# Altium PCB LimeSDR-QPCIe_1v2.PcbDoc (part 12 of 21) (continued)
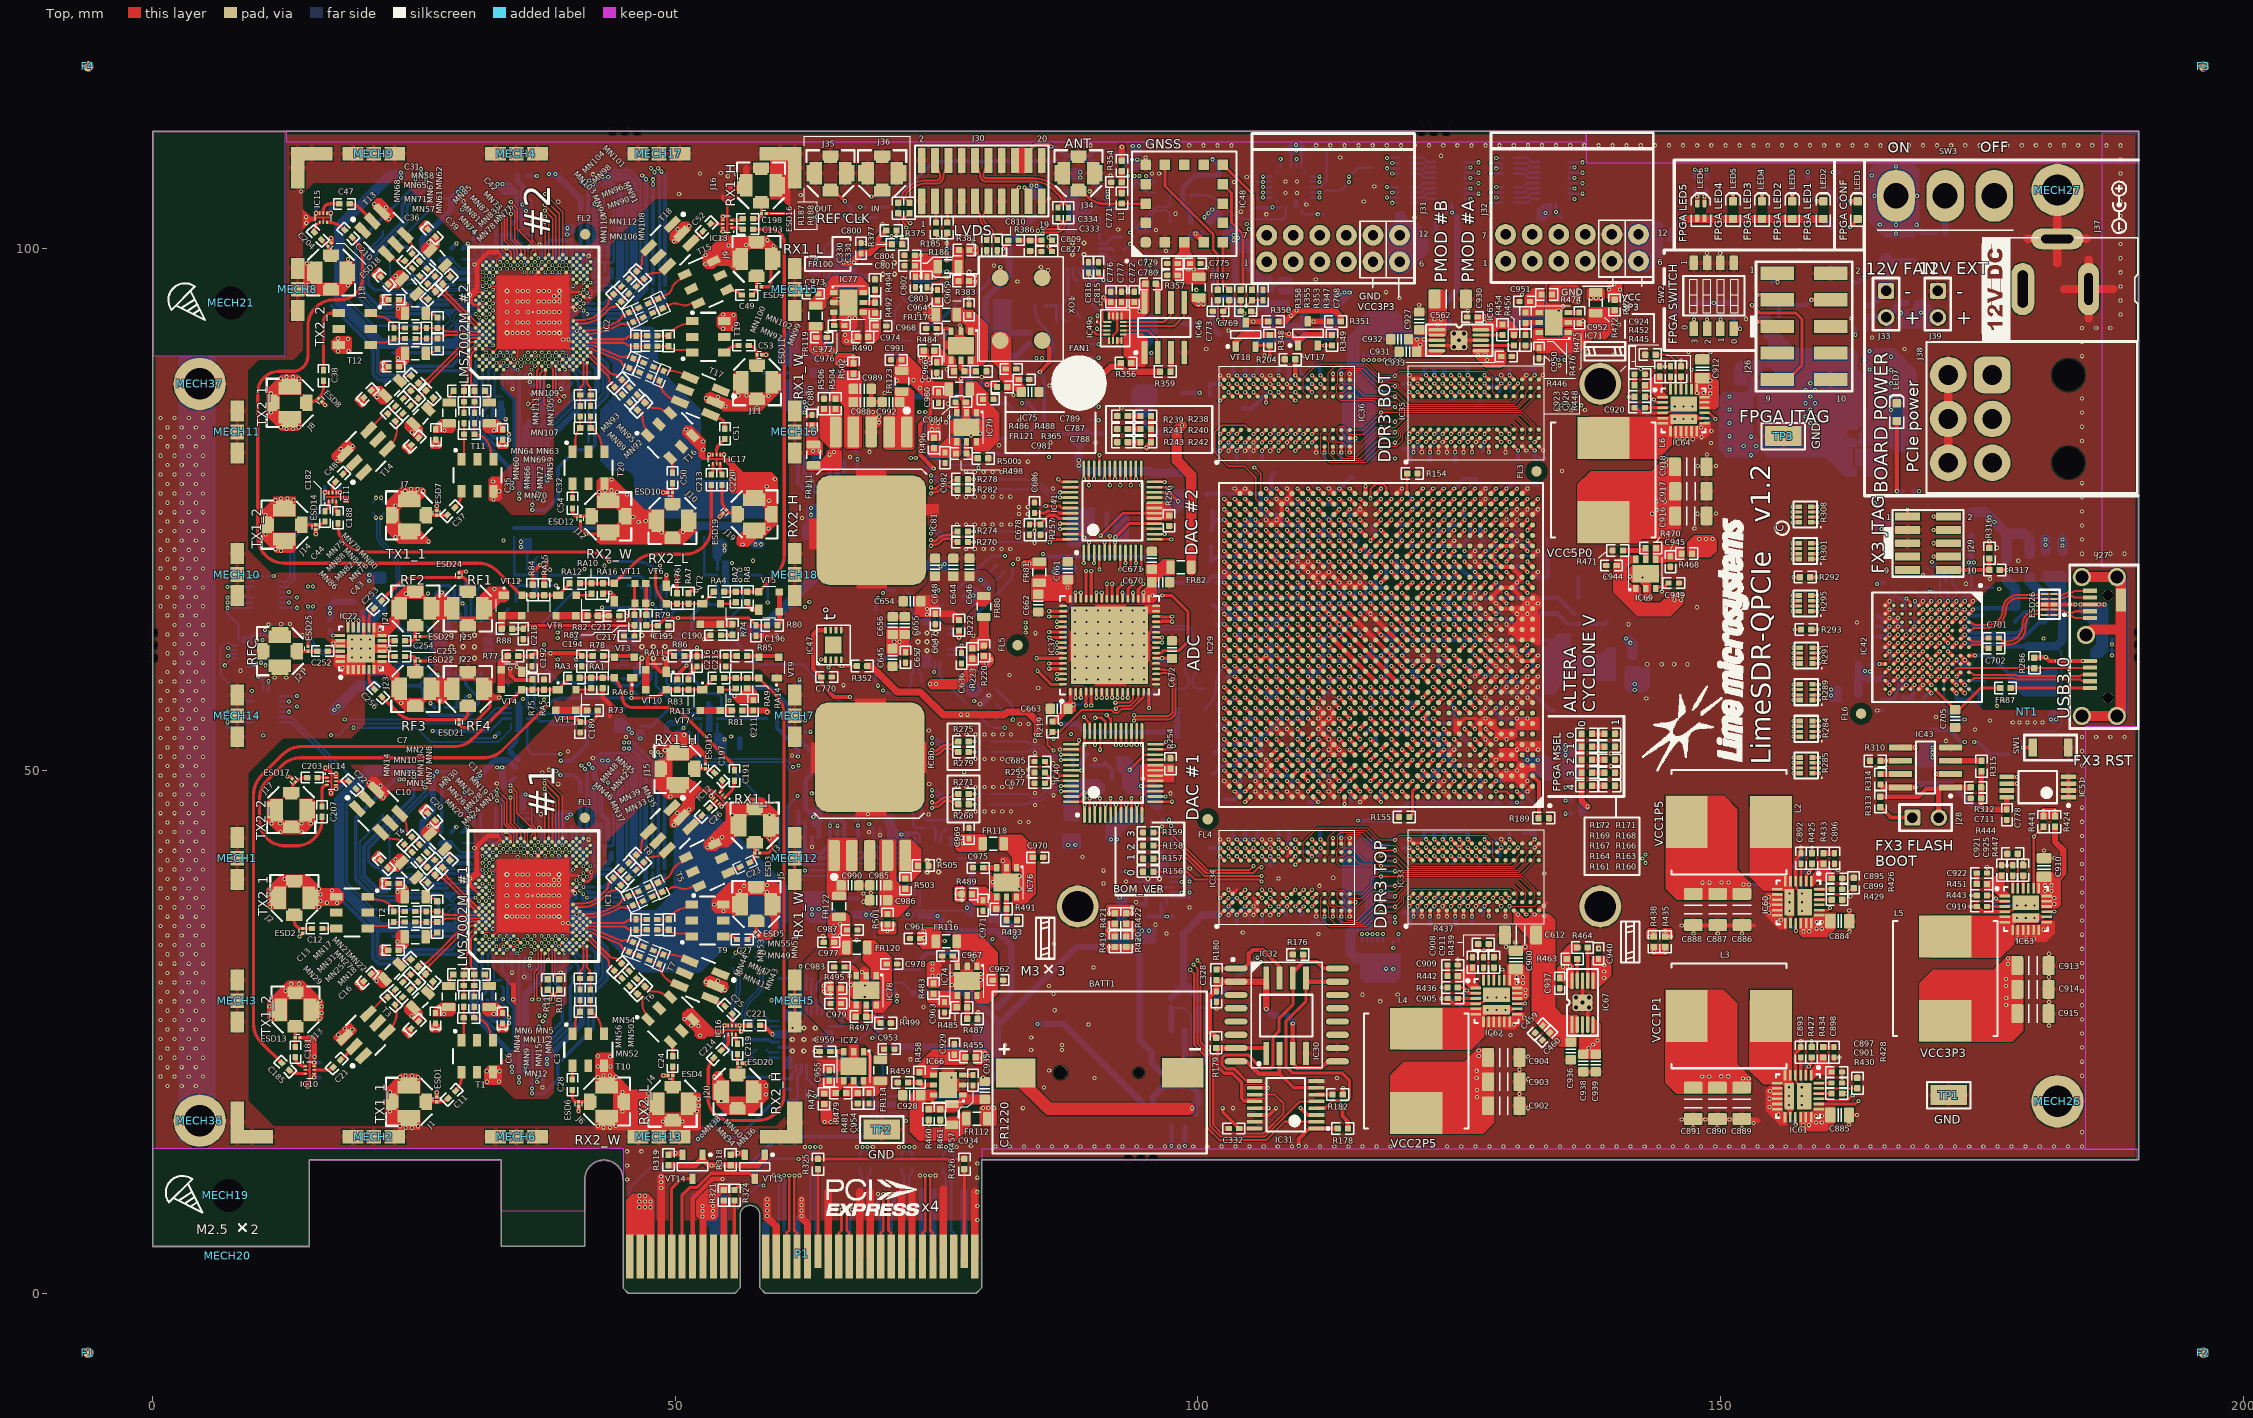
[diagram p0: Top view]
## Nets (pads, with @x,y where several pads share a name; then routed paths per layer and width w, separated by ;. In a path a pad name is that pad's centre, name@x,y a point inside that pad or via, vN(x,y) a via of type N, cw(c..) or ccw(c..) an arc to the next point about the centre after c; other vN are vias at no path point) (continued)
  other v3: 34.881,33.186 40.574,36.215 41.975,40.275 34.925,41.75 40.601,92.052 41.875,95.35
  other v4: 157.775,18.85 157.775,19.7 61.2,23.175 62.3,23.175 63.4,23.175 61.2,24.275 62.3,24.275 63.4,24.275 61.2,25.375 62.3,25.375 63.4,25.375 127.725,28.3 128.575,28.3 38.885,36.05 178.363,37.1 179.213,37.1 157.8,37.4 157.8,38.25 95.225,38.55 96.325,38.55 38.885,40.05 74.1,40.3 75.2,40.3 74.1,41.4 75.2,41.4 29.7,60.75 30.8,60.75 46.8,60.75 19.088,60.825 19.938,60.825 20.788,60.825 73.225,61.475 74.075,61.475 74.925,61.475 19.088,61.675 19.938,61.675 20.788,61.675 28.6,61.85 29.7,61.85 30.8,61.85 46.8,61.85 47.9,61.85 49,61.85 73.225,62.325 74.075,62.325 74.925,62.325 19.088,62.525 19.938,62.525 29.7,62.95 30.8,62.95 46.8,62.95 47.9,62.95 49,62.95 73.225,63.175 74.075,63.175 74.925,63.175 145.625,84.825 146.475,84.825 38.912,91.887 38.912,95.887 69.875,97.5 70.975,97.5 69.875,98.6 70.975,98.6 88,99.375 89.1,99.375 88,100.475 89.1,100.475
  other v5: 88.25,58.7 89.35,58.7 90.45,58.7 91.55,58.7 92.65,58.7 93.75,58.7 94.85,58.7 88.25,59.8 89.35,59.8 90.45,59.8 91.55,59.8 92.65,59.8 93.75,59.8 94.85,59.8 88.25,60.9 89.35,60.9 90.45,60.9 91.55,60.9 92.65,60.9 93.75,60.9 94.85,60.9 88.25,62 89.35,62 90.45,62 91.55,62 92.65,62 93.75,62 94.85,62 88.25,63.1 89.35,63.1 90.45,63.1 91.55,63.1 92.65,63.1 93.75,63.1 94.85,63.1 88.25,64.2 89.35,64.2 90.45,64.2 91.55,64.2 92.65,64.2 93.75,64.2 94.85,64.2 88.25,65.3 89.35,65.3 90.45,65.3 91.55,65.3 92.65,65.3 93.75,65.3 94.85,65.3
"GNSS _FIX": C773.1 IC29.R23 R355.2 | length 42.7
  Top w0.254: v1(102.3,92.725) 102.425,92.85 C773.1@102.425,93.95 103,94.525 R355.2@103,95
  Top w0.4: v2(109.525,62) IC29.R23@110.025,61.5
  L12 w0.1: v1(102.3,92.725) 101.35,91.775 101.35,90.025 101.025,89.7 101.025,63.091 102.491,61.625 109.15,61.625 v2(109.525,62)
"GNSS _TX": C769.1 IC29.K22 R353.2 | length 52
  Top w0.254: R353.2@104.1,95 104.1,94.1 v1(104.475,93.725)
  Top w0.4: v2(110.525,57) IC29.K22@111.025,56.5
  L12 w0.1: v1(104.475,93.725) 104.175,94.025 100.708,94.025 99.575,92.892 99.575,85.508 100.35,84.733 100.35,63.2 102.125,61.425 102.125,60.9 102.375,60.65 106.758,60.65 107.125,60.283 107.125,58.825 107.325,58.625 109.683,58.625 110.075,58.233 110.075,57.45 v2(110.525,57)
GNSS_RX: C768.1 IC29.K25 R347.2 | length 54.5
  Top w0.254: v1(104.6,94.45) 105.132,94.982 cw(c105.175,94.94) R347.2@105.175,95 C768.1@106.225,95
  Top w0.4: v1(107.525,57) IC29.K25@108.025,56.5
  L12 w0.1: v1(104.6,94.45) 104.375,94.225 100.625,94.225 99.375,92.975 99.375,85.425 100.15,84.65 100.15,63.117 101.925,61.342 101.925,60.817 102.292,60.45 106.675,60.45 106.925,60.2 106.925,58.742 107.242,58.425 109.6,58.425 109.875,58.15 109.875,57.85 109.375,57.35 107.875,57.35 v1(107.525,57)
GNSS_TPULSE: IC29.T23 R358.2 | length 42.1
  Top w0.2: R358.2@101.9,95 101.925,94.975 v1(101.925,93.1)
  Top w0.4: v2(109.525,63) IC29.T23@110.025,62.5
  L12 w0.1: v1(101.925,93.1) 102.425,93.1 102.675,92.85 102.675,92.605 101.55,91.48 101.55,89.942 101.225,89.617 101.225,63.805 102.505,62.525 109.05,62.525 v2(109.525,63)
I2C_SCL: IC47.2 IC50.16 IC51.6 IC57.4 R287.1 R351.2 VT17.D | length 291.9
  Top w0.25: v1(64.65,59.85) 64.875,60.075 IC47.2@64.875,60.625
  Top w0.4: IC51.6@177.4,48.75 v1(178.4,48.75)
  Top w0.6: VT17.D@110.525,92.975 R351.2@112.675,92.975
  L3 w0.1: v1(64.65,59.85) 64.65,74.067 74.966,84.384 85.566,84.384 89.558,88.375 93.1,88.375 96.075,91.35 103.958,91.35 105.233,92.625 110.725,92.625 v1(111.075,92.975) 120.642,92.975 124.892,88.725 132.625,88.725 133.55,87.8 133.55,84.375 139.475,78.45 163.5,78.45 169.725,72.225 170.395,72.225 174.875,67.745 174.875,56.4 v1(173.375,54.9) 172.825,54.35 172.825,52.45 176.525,48.75 v1(178.4,48.75)
  L10 w0.1: v1(97.48,14.075) 100.43,17.025 112.142,17.025 114.55,19.433 114.55,29.619 118.756,33.825 127.969,33.825 130.019,35.875 130.77,35.875 130.975,36.08 130.975,36.825 132.075,37.925 132.075,41.5 132.8,42.225 132.8,43.25 134.95,45.4 151.9,45.4 154.25,47.75 159.3,47.75 166.325,54.775 173.25,54.775 v1(173.375,54.9)
  L12 w0.1: v1(111.075,92.975) 110.519,93.531 110.519,101.721 110.825,102.028 110.825,104.525 v1(111.625,105.325)
  Bottom w0.254: IC57.4@110.85,105.325 v1(111.625,105.325)
  Bottom w0.4: v1(97.48,14.075) IC50.16@97.48,15.95 ; R287.1@171.475,55.95 172.525,54.9 v1(173.375,54.9)
I2C_SCL_LS: IC29.AG23 R349.2 VT17.S | length 28.6
  Top w0.309: VT17.S@111.475,90.675 R349.2@112.825,90.675
  Top w0.4: v2(109.525,74) IC29.AG23@110.025,73.5
  L8 w0.1: v2(109.525,74) 110.1,73.425 110.605,73.425 111.38,72.65 112.67,72.65 112.875,72.855 112.875,74.155 111.025,76.005 111.025,77 109.85,78.175 109.425,78.175 107.35,80.25 107.35,84.675 108.9,86.225 108.9,87.875 110.65,89.625 111.075,89.625 v1(112.125,90.675)
I2C_SDA: IC47.1 IC50.15 IC51.5 IC57.5 R288.1 R350.2 VT18.D | length 291.1
  Top w0.25: v1(63.95,60.625) IC47.1@64.375,60.625
  Top w0.4: IC51.5@177.4,49.4 v1(178.4,49.4)
  Top w0.6: VT18.D@104.575,92.975 R350.2@106.725,92.975
  L3 w0.1: v1(63.95,60.625) 63.95,73.65 74.884,84.584 85.484,84.584 89.475,88.575 93.017,88.575 95.992,91.55 103.875,91.55 v1(105.3,92.975) 110.575,92.975 110.925,93.325 ; v1(111.625,104.825) 110.425,103.625 110.425,97.975 110.925,97.475 110.925,93.325 ; v1(178.4,49.4) 177.025,50.775 v1(177.025,56.7) 175.075,58.65 175.075,67.828 170.478,72.425 169.808,72.425 163.583,78.65 139.558,78.65 133.75,84.458 133.75,87.883 132.708,88.925 124.975,88.925 120.725,93.175 111.525,93.175 111.375,93.325 110.925,93.325
  L10 w0.1: v1(98.75,14.075) 98.75,15.062 100.513,16.825 112.225,16.825 114.75,19.35 114.75,29.536 118.839,33.625 129.32,33.625 131.775,36.08 131.775,37.325 132.275,37.825 132.275,41.417 133,42.142 133,43.167 135.033,45.2 151.983,45.2 154.333,47.55 159.383,47.55 166.383,54.55 173.52,54.55 175.67,56.7 v1(177.025,56.7)
  Bottom w0.254: IC57.5@110.85,104.825 v1(111.625,104.825) ; R288.1@176.325,58.45 177.025,57.75 v1(177.025,56.7)
  Bottom w0.4: v1(98.75,14.075) IC50.15@98.75,15.95
I2C_SDA_LS: IC29.AH22 R348.2 VT18.S | length 19.2
  Top w0.309: VT18.S@105.525,90.675 R348.2@106.875,90.675 v1(106.875,89.625)
  Top w0.4: v2(110.525,75) IC29.AH22@111.025,74.5
  L12 w0.1: v1(106.875,89.625) 108.125,88.375 108.125,80.9 110.125,78.9 110.125,75.4 v2(110.525,75)
LM75_OS: IC29.A28 IC47.3 R352.1 | length 51.2
  Top w0.25: IC47.3@65.375,60.625 65.375,60.225 65.6,60 v1(65.925,60) R352.1@67.375,60
  Top w0.4: v1(104.525,47) IC29.A28@105.025,47.5
  L6 w0.1: v1(78.6,56.65) 78.675,56.725 81.275,56.725 83.075,54.925 85.025,54.925 88.5,51.45 88.5,46.675 89.525,45.65 103.175,45.65 v1(104.525,47)
  L10 w0.1: v1(65.925,60) 75.25,60 v1(78.6,56.65)
LMS1_CORE_LDO_EN: IC1.U33 IC29.Y25 R9.2 | length 97
  Top w0.11: IC1.U33@36.213,43.176 36.213,43.79
  Top w0.13: v1@34.262,48.532 34.852,47.942 34.852,45.96 36.37,44.441 36.37,43.947 36.213,43.79
  Top w0.4: v2(107.525,67) IC29.Y25@108.025,66.5
  L8 w0.1: v1(34.237,48.566) 34.237,48.935 36.602,51.3 37.094,51.3 38.844,53.05 40.049,53.05 45.849,58.85 57.243,58.85 68.368,69.975 74.458,69.975 76.783,72.3 81.588,72.3 82.863,73.575 86.195,73.575 86.87,74.25 101,74.25 101.8,73.45 103.57,73.45 103.875,73.145 103.875,72.792 104.317,72.35 104.67,72.35 104.875,72.145 104.875,71.711 105.236,71.35 105.67,71.35 105.875,71.145 105.875,70.428 106.075,70.228 106.075,68.955 106.875,68.155 106.875,67.65 v2(107.525,67)
  Bottom w0.4: v1(34.237,48.566) 34.237,48.937 R9.2@34.65,49.35
LMS1_DIQ1_D0: IC1.AG31 IC29.T28 | length 97.3
  Top w0.4: v2(104.525,63) IC29.T28@105.025,62.5
  L8 w0.1: v3(39.543,42.51) 39.724,42.51 46.364,49.15 51.564,49.15 53.139,50.725 53.686,50.725 54.711,49.7 55.856,49.7 61.1,54.944 61.1,56.269 61.331,56.5 63.525,56.5 63.56,56.5 ccw(c63.56,56.804) 63.864,56.804 63.864,57.946 cw(c64.168,57.946) 64.168,58.25 cw(c64.168,57.946) 64.472,57.946 64.472,56.804 ccw(c64.776,56.804) 64.776,56.5 ccw(c64.776,56.804) 65.08,56.804 65.08,57.003 cw(c65.384,57.003) 65.384,57.307 cw(c65.384,57.003) 65.688,57.003 65.688,56.804 ccw(c65.992,56.804) 65.992,56.5 66.296,56.5 66.6,56.5 66.8,56.5 67.375,57.075 67.687,57.075 cw(c67.687,56.804) 67.958,56.804 ccw(c68.262,56.804) 68.262,56.5 ccw(c68.262,56.804) 68.566,56.804 cw(c68.837,56.804) 68.837,57.075 68.903,57.075 cw(c68.903,56.804) 69.174,56.804 ccw(c69.478,56.804) 69.478,56.5 ccw(c69.478,56.804) 69.782,56.804 cw(c70.053,56.804) 70.053,57.075 70.119,57.075 cw(c70.119,56.804) 70.39,56.804 ccw(c70.694,56.804) 70.694,56.5 ccw(c70.694,56.804) 70.998,56.804 cw(c71.269,56.804) 71.269,57.075 71.335,57.075 cw(c71.335,56.804) 71.606,56.804 ccw(c71.91,56.804) 71.91,56.5 ccw(c71.91,56.804) 72.214,56.804 cw(c72.485,56.804) 72.485,57.075 72.551,57.075 cw(c72.551,56.804) 72.822,56.804 ccw(c73.126,56.804) 73.126,56.5 ccw(c73.126,56.804) 73.43,56.804 cw(c73.701,56.804) 73.701,57.075 73.767,57.075 cw(c73.767,56.804) 74.038,56.804 ccw(c74.342,56.804) 74.342,56.5 ccw(c74.342,56.804) 74.646,56.804 cw(c74.917,56.804) 74.917,57.075 74.95,57.075 75.183,57.075 82.583,64.475 83,64.475 83.175,64.3 83.175,63.001 85.175,61.001 85.175,59.092 86.067,58.2 86.753,58.2 87.15,58.597 87.15,59.225 87.325,59.4 88.675,59.4 88.925,59.15 88.925,58.45 89.175,58.2 89.75,58.2 89.975,58.425 89.975,58.975 90.175,59.175 90.8,59.175 91.025,58.95 91.025,58.45 91.275,58.2 91.825,58.2 92.075,58.45 92.075,59 92.25,59.175 92.975,59.175 93.2,58.95 93.2,58.475 93.475,58.2 95.375,58.2 ccw(c95.375,58.504) 95.679,58.504 95.679,58.847 cw(c95.983,58.847) 95.983,59.151 cw(c95.983,58.847) 96.287,58.847 96.287,58.504 ccw(c96.591,58.504) 96.591,58.2 97.275,58.2 97.941,58.866 97.941,59.234 98.408,59.7 98.775,59.7 99.216,60.141 99.216,60.509 99.733,61.025 100.1,61.025 101.525,62.45 103.975,62.45 v2(104.525,63)
LMS1_DIQ1_D1: IC1.AF30 IC29.Y23 | length 97.1
  Top w0.4: v2(109.525,67) IC29.Y23@110.025,66.5
  L8 w0.1: v3(39.21,42.177) 39.535,41.852 40.011,41.852 40.201,42.042 40.201,42.704 46.422,48.925 51.622,48.925 52.197,49.5 55.939,49.5 61.3,54.861 61.3,56.05 61.55,56.3 74.691,56.3 82.316,63.925 82.75,63.925 82.975,63.7 82.975,62.975 82.625,62.625 82.125,62.625 81.925,62.425 81.925,62.1 82.725,61.3 83.05,61.3 83.625,61.875 84.019,61.875 84.975,60.919 84.975,59.009 85.984,58 86.836,58 87.35,58.514 87.35,58.95 87.6,59.2 88.592,59.2 88.725,59.067 88.725,58.367 89.092,58 89.833,58 90.108,58.275 90.917,58.275 91.192,58 91.908,58 92.208,58.3 93.092,58.3 93.392,58 97.6,58 98.141,58.541 98.141,59.151 98.491,59.5 99.1,59.5 99.416,59.816 99.416,60.426 99.616,60.625 100.225,60.625 101.25,61.65 103.675,61.65 104.675,62.65 107.67,62.65 107.875,62.855 107.875,63.275 108.175,63.575 108.925,63.575 109.125,63.775 109.125,64.4 109.315,64.59 109.61,64.59 109.875,64.855 109.875,66.25 109.525,66.6 v2(109.525,67)
LMS1_DIQ1_D2: IC1.AF34 IC29.AB28 | length 97.3
  Top w0.15: v1@37.504,49.323 39.21,47.618 IC1.AF34@39.21,43.509
  Top w0.4: v2(104.525,69) IC29.AB28@105.025,68.5
  L8 w0.1: v1(37.497,49.316) 38.472,48.341 39.235,48.341 39.375,48.481 39.375,50.962 44.913,56.5 53.675,56.5 53.95,56.225 56.033,56.225 68.783,68.975 84.524,68.975 86.574,71.025 87.058,71.025 88.758,72.725 89.9,72.725 90.05,72.575 90.05,71.2 90.225,71.025 92.2,71.025 92.5,71.325 92.5,72.45 92.775,72.725 95.942,72.725 96.25,72.417 96.25,71.4 96.625,71.025 96.95,71.025 98.2,72.275 98.5,72.275 98.8,72.275 cw(c98.8,71.975) 99.1,71.975 99.1,70.195 ccw(c99.4,70.195) 99.4,69.895 ccw(c99.4,70.195) 99.7,70.195 99.7,71.975 cw(c100,71.975) 100,72.275 100.325,72.275 100.767,72.275 101.1,71.942 101.1,71.4 102.075,70.425 102.431,70.425 102.825,70.425 103.595,70.425 103.875,70.145 103.875,69.711 104.525,69.061 v2(104.525,69)
LMS1_DIQ1_D3: IC1.AE31 IC29.T29 | length 97.1
  Top w0.4: v2(103.525,63) IC29.T29@104.025,62.5
  L8 w0.1: v3(38.877,42.51) 38.877,43.002 39.043,43.168 40.099,43.168 46.281,49.35 51.481,49.35 53.056,50.925 53.769,50.925 54.644,50.05 55.924,50.05 60.9,55.026 60.9,56.351 62.999,58.45 64.65,58.45 65.825,57.275 66.125,57.275 66.16,57.275 ccw(c66.16,57.579) 66.464,57.579 66.464,58.049 cw(c66.768,58.049) 66.768,58.353 cw(c66.768,58.049) 67.072,58.049 67.072,57.579 ccw(c67.376,57.579) 67.376,57.275 ccw(c67.376,57.579) 67.68,57.579 67.68,58.049 cw(c67.984,58.049) 67.984,58.353 cw(c67.984,58.049) 68.288,58.049 68.288,57.579 ccw(c68.592,57.579) 68.592,57.275 68.896,57.275 69.2,57.275 69.525,57.275 69.657,57.275 70.265,57.275 70.569,57.275 ccw(c70.569,57.579) 70.873,57.579 70.873,58.146 cw(c71.177,58.146) 71.177,58.45 cw(c71.177,58.146) 71.481,58.146 71.481,57.579 ccw(c71.785,57.579) 71.785,57.275 ccw(c71.785,57.579) 72.089,57.579 72.089,58.146 cw(c72.393,58.146) 72.393,58.45 cw(c72.393,58.146) 72.697,58.146 72.697,57.579 ccw(c73.001,57.579) 73.001,57.275 ccw(c73.001,57.579) 73.305,57.579 73.305,58.146 cw(c73.609,58.146) 73.609,58.45 cw(c73.609,58.146) 73.913,58.146 73.913,57.579 ccw(c74.217,57.579) 74.217,57.275 74.521,57.275 74.825,57.275 75.1,57.275 83.7,65.875 84.117,65.875 84.5,65.492 84.5,65.2 84.3,65 84,65 83.85,64.85 83.85,64.55 84.309,64.091 84.309,63.841 83.925,63.458 83.925,62.534 85.375,61.084 85.375,59.175 86.15,58.4 86.67,58.4 86.95,58.68 86.95,59.425 87.85,60.325 88.325,60.325 88.825,59.825 88.825,59.6 89.05,59.375 95.025,59.375 95.425,59.775 97.575,59.775 100.45,62.65 103.175,62.65 v2(103.525,63)
LMS1_DIQ1_D4: IC1.AD30 IC29.AA23 | length 99.1
  Top w0.4: v2(109.525,68) IC29.AA23@110.025,67.5
  L8 w0.1: v3(38.544,42.177) 38.552,42.169 38.552,41.709 38.742,41.519 39.526,41.519 39.659,41.652 40.093,41.652 40.401,41.96 40.401,42.621 42.38,44.6 42.875,44.6 43.1,44.825 43.1,45.32 43.555,45.775 44.2,45.775 44.475,46.05 44.475,46.695 46.505,48.725 51.705,48.725 52.28,49.3 54.483,49.3 ; v2(109.525,68) 109.525,67.525 109.875,67.175 109.875,66.575 110.075,66.375 110.075,64.772 109.875,64.572 109.875,63.845 108.48,62.45 105.47,62.45 104.47,61.45 101.55,61.45 97.9,57.8 85.901,57.8 82.401,61.3 79.974,61.3 74.774,56.1 71.2,56.1 ccw(c71.2,55.8) 70.9,55.8 70.9,55.7 cw(c70.6,55.7) 70.6,55.4 cw(c70.6,55.7) 70.3,55.7 70.3,55.8 ccw(c70,55.8) 70,56.1 ccw(c70,55.8) 69.7,55.8 69.7,55.7 cw(c69.4,55.7) 69.4,55.4 cw(c69.4,55.7) 69.1,55.7 69.1,55.8 ccw(c68.8,55.8) 68.8,56.1 ccw(c68.8,55.8) 68.5,55.8 68.5,55.7 cw(c68.2,55.7) 68.2,55.4 cw(c68.2,55.7) 67.9,55.7 67.9,55.8 ccw(c67.6,55.8) 67.6,56.1 ccw(c67.6,55.8) 67.3,55.8 67.3,55.7 cw(c67,55.7) 67,55.4 cw(c67,55.7) 66.7,55.7 66.7,55.8 ccw(c66.4,55.8) 66.4,56.1 ccw(c66.4,55.8) 66.1,55.8 66.1,55.7 cw(c65.8,55.7) 65.8,55.4 cw(c65.8,55.7) 65.5,55.7 65.5,55.8 ccw(c65.2,55.8) 65.2,56.1 ccw(c65.2,55.8) 64.9,55.8 64.9,55.7 cw(c64.6,55.7) 64.6,55.4 cw(c64.6,55.7) 64.3,55.7 64.3,55.8 ccw(c64,55.8) 64,56.1 ccw(c64,55.8) 63.7,55.8 63.7,55.7 cw(c63.4,55.7) 63.4,55.4 cw(c63.4,55.7) 63.1,55.7 63.1,55.8 ccw(c62.8,55.8) 62.8,56.1 62.5,56.1 62.2,56.1 61.775,56.1 61.5,55.825 61.5,54.778 56.022,49.3 ; 54.483,49.3 56.022,49.3 ; 54.483,49.3 55.033,48.75 55.472,48.75 56.022,49.3
LMS1_DIQ1_D5: IC1.AC29 IC29.V22 | length 97.3
  Top w0.4: v2(110.525,65) IC29.V22@111.025,64.5
  L8 w0.1: v3(38.211,41.844) 38.211,41.768 38.66,41.319 39.608,41.319 39.741,41.452 40.176,41.452 40.601,41.877 40.601,42.538 41.104,43.041 42.141,43.041 46.375,47.275 46.375,48.312 46.588,48.525 51.788,48.525 52.088,48.825 54.675,48.825 54.95,48.55 55.555,48.55 61.7,54.695 61.7,55.6 62,55.9 62.479,55.9 63.179,55.2 70.9,55.2 71.6,55.9 71.9,55.9 72.2,55.9 cw(c72.2,55.6) 72.5,55.6 72.5,55.5 ccw(c72.8,55.5) 72.8,55.2 ccw(c72.8,55.5) 73.1,55.5 73.1,55.6 cw(c73.4,55.6) 73.4,55.9 cw(c73.4,55.6) 73.7,55.6 73.7,55.5 ccw(c74,55.5) 74,55.2 ccw(c74,55.5) 74.3,55.5 74.3,55.6 cw(c74.6,55.6) 74.6,55.9 cw(c74.6,55.6) 74.9,55.6 74.9,55.5 ccw(c75.2,55.5) 75.2,55.2 ccw(c75.2,55.5) 75.5,55.5 75.5,55.9 75.5,56.419 cw(c75.8,56.419) 75.8,56.719 cw(c75.8,56.419) 76.1,56.419 76.1,56.2 ccw(c76.4,56.2) 76.4,55.9 76.625,55.9 76.742,55.9 77.05,56.208 77.05,58.094 77.906,58.95 79.125,58.95 79.3,59.125 79.3,60.344 80.056,61.1 80.5,61.1 80.7,61.1 cw(c80.7,60.8) 81,60.8 81,60.036 ccw(c81.3,60.036) 81.3,59.736 ccw(c81.3,60.036) 81.6,60.036 81.6,60.8 cw(c81.9,60.8) 81.9,61.1 82.319,61.1 85.819,57.6 98.3,57.6 101.35,60.65 104.67,60.65 105.67,61.65 108.67,61.65 110.075,63.055 110.075,64.489 110.525,64.939 v2(110.525,65)
LMS1_DIQ1_D6: IC1.AE33 IC29.V24 | length 97.1
  Top w0.15: v1@37.502,48.801 38.86,47.443 38.86,43.193 38.864,43.189 IC1.AE33@38.877,43.176
  Top w0.4: v2(108.525,65) IC29.V24@109.025,64.5
  L8 w0.1: v1(37.492,48.791) 38.142,48.141 39.317,48.141 39.575,48.399 39.575,50.865 45.01,56.3 53.592,56.3 53.867,56.025 53.9,56.025 56.115,56.025 68.865,68.775 84.607,68.775 86.656,70.825 87.141,70.825 88.316,72 88.875,72 90.05,70.825 92.283,70.825 92.7,71.242 92.7,72.367 92.858,72.525 95.859,72.525 96.05,72.334 96.05,71.317 96.542,70.825 97.975,70.825 99.15,69.65 99.825,69.65 100.025,69.85 100.025,70.25 100.675,70.9 101.317,70.9 101.992,70.225 101.992,69.958 102.4,69.55 103.753,69.55 104.075,69.228 104.075,68.955 104.48,68.55 104.753,68.55 105.075,68.228 105.075,67.945 108.02,65 v2(108.525,65)
LMS1_DIQ1_D7: IC1.AD32 IC29.Y27 | length 97.2
  Top w0.11: IC1.AD32@38.544,42.843 38.544,43.451
  Top w0.15: v1(37.487,48.266) 37.492,48.266 38.544,47.214 38.544,45.679 38.544,43.451
  Top w0.4: v2(105.525,67) IC29.Y27@106.025,66.5
  L8 w0.1: v1(37.487,48.266) 37.812,47.941 39.4,47.941 39.775,48.316 39.775,50.782 45.093,56.1 53.509,56.1 53.784,55.825 56.198,55.825 68.948,68.575 69.775,68.575 70.079,68.575 70.383,68.575 cw(c70.383,68.271) 70.687,68.271 70.687,68.177 ccw(c70.991,68.177) 70.991,67.873 ccw(c70.991,68.177) 71.295,68.177 71.295,68.271 cw(c71.599,68.271) 71.599,68.575 cw(c71.599,68.271) 71.903,68.271 71.903,68.177 ccw(c72.207,68.177) 72.207,67.873 ccw(c72.207,68.177) 72.511,68.177 72.511,68.271 cw(c72.815,68.271) 72.815,68.575 75.15,68.575 78.333,68.575 79.008,67.9 79.575,67.9 80.25,68.575 84.689,68.575 86.739,70.625 87.224,70.625 88.399,71.8 88.792,71.8 89.967,70.625 92.366,70.625 92.9,71.159 92.9,72.125 93.1,72.325 95.575,72.325 95.85,72.05 95.85,70.933 96.158,70.625 97.892,70.625 98.125,70.392 98.125,69.533 98.858,68.8 100.3,68.8 100.5,69 100.5,70.442 100.758,70.7 101.234,70.7 101.55,70.384 101.55,69.7 101.9,69.35 103.67,69.35 103.875,69.145 103.875,68.6 104.125,68.35 104.67,68.35 104.875,68.145 104.875,67.65 v2(105.525,67)
LMS1_DIQ1_D8: IC1.AC31 IC29.AC24 | length 97.1
  Top w0.4: v2(108.525,70) IC29.AC24@109.025,69.5
  L8 w0.1: v3(38.211,42.51) 38.211,42.619 38.96,43.368 40.017,43.368 46.199,49.55 51.399,49.55 52.974,51.125 53.851,51.125 54.451,50.525 56.116,50.525 60.7,55.109 60.7,56.434 62.916,58.65 76.156,58.65 83.581,66.075 84.2,66.075 84.7,65.575 84.7,63.95 84.125,63.375 84.125,62.617 86.417,60.325 86.983,60.325 87.958,61.3 88.625,61.3 88.8,61.125 88.8,60.65 89.125,60.325 96.95,60.325 97.3,60.675 97.3,61.717 97.558,61.975 98.375,61.975 98.725,62.325 98.725,63.142 99.033,63.45 100.875,63.45 107.48,63.45 108.48,64.45 108.753,64.45 109.075,64.772 109.075,67.3 108.875,67.5 108.875,69.225 108.525,69.575 v2(108.525,70)
LMS1_DIQ1_D9: IC1.AC33 IC29.V25 | length 97.1
  Top w0.15: v1(37.487,47.741) 38.253,46.975 38.253,43.218 IC1.AC33@38.211,43.176
  Top w0.4: v2(107.525,65) IC29.V25@108.025,64.5
  L8 w0.1: v1(37.487,47.741) 39.483,47.741 39.975,48.233 39.975,50.699 45.176,55.9 53.426,55.9 53.701,55.625 56.281,55.625 68.281,67.625 68.65,67.625 ccw(c68.65,67.929) 68.954,67.929 68.954,68.071 cw(c69.258,68.071) 69.258,68.375 cw(c69.258,68.071) 69.562,68.071 69.562,67.929 ccw(c69.866,67.929) 69.866,67.625 70.17,67.625 70.75,67.625 72.55,67.625 73.3,68.375 78.25,68.375 78.925,67.7 79.658,67.7 80.333,68.375 84.772,68.375 86.822,70.425 87.306,70.425 88.481,71.6 88.709,71.6 89.884,70.425 92.449,70.425 93.1,71.076 93.1,71.875 93.35,72.125 93.55,72.125 93.85,72.125 cw(c93.85,71.825) 94.15,71.825 94.15,70.725 ccw(c94.45,70.725) 94.45,70.425 ccw(c94.45,70.725) 94.75,70.725 94.75,71.825 cw(c95.05,71.825) 95.05,72.125 95.4,72.125 95.65,71.875 95.65,70.85 96.075,70.425 96.95,70.425 98.825,68.55 100.375,68.55 100.7,68.875 101.45,68.875 101.775,68.55 103.47,68.55 104.875,67.145 105.245,66.775 105.255,66.775 105.38,66.65 105.383,66.65 105.725,66.308 105.725,66.295 107.02,65 v2(107.525,65)
LMS1_DIQ1_D10: IC1.AB30 IC29.W22 | length 97.1
  Top w0.4: v2(110.525,66) IC29.W22@111.025,65.5
  L8 w0.1: v3(37.878,42.177) 37.878,41.717 38.476,41.119 39.691,41.119 39.824,41.252 40.259,41.252 41.848,42.841 42.224,42.841 47.708,48.325 55.613,48.325 61.9,54.612 61.9,55.517 62.083,55.7 62.396,55.7 63.096,55 76.125,55 77.25,56.125 77.25,58.011 77.989,58.75 79.208,58.75 79.5,59.042 79.5,59.6 79.775,59.875 80.625,59.875 81,59.5 81.485,59.5 82.41,60.425 82.711,60.425 85.736,57.4 86.075,57.4 86.379,57.4 86.783,57.4 cw(c86.783,57.196) 86.987,57.196 ccw(c87.291,57.196) 87.291,56.892 ccw(c87.291,57.196) 87.595,57.196 cw(c87.799,57.196) 87.799,57.4 90.025,57.4 99.192,57.4 99.525,57.733 99.525,58.542 99.933,58.95 100.25,58.95 101.05,59.75 101.05,60.067 101.433,60.45 102.58,60.45 103.38,59.65 103.68,59.65 104.38,60.35 104.68,60.35 105.38,59.65 105.67,59.65 106,59.98 106,61.275 106.175,61.45 106.57,61.45 107.37,60.65 107.68,60.65 108.38,61.35 108.675,61.35 109.375,60.65 109.67,60.65 110.875,61.855 110.875,65.225 110.525,65.575 v2(110.525,66)
LMS1_DIQ1_D11: IC1.AB32 IC29.AA24 | length 97.2
  Top w0.4: v2(108.525,68) IC29.AA24@109.025,67.5
  L8 w0.1: v3(37.878,42.843) 38.603,43.568 39.934,43.568 46.116,49.75 51.316,49.75 52.941,51.375 53.884,51.375 54.534,50.725 56.033,50.725 60.5,55.192 60.5,56.517 62.833,58.85 76.074,58.85 83.599,66.375 86.959,66.375 87.125,66.209 87.125,65.825 86.95,65.65 85.25,65.65 84.925,65.325 84.925,62.1 86.5,60.525 86.9,60.525 87.9,61.525 96.825,61.525 98.95,63.65 103.38,63.65 106.925,63.65 107.075,63.8 107.075,64.525 107.2,64.65 108.67,64.65 108.875,64.855 108.875,67.175 108.525,67.525 v2(108.525,68)
LMS1_DIQ2_D0: IC1.H30 IC29.AC27 | length 97
  Top w0.4: v2(105.525,70) IC29.AC27@106.025,69.5
  L8 w0.1: v3(33.216,42.177) 32.8,42.593 32.8,44.137 36.325,47.662 36.325,50.457 36.768,50.9 37.26,50.9 39.01,52.65 40.214,52.65 46.014,58.45 57.409,58.45 68.534,69.575 74.624,69.575 75.694,70.645 80.935,70.645 81.387,70.193 82.293,70.193 82.475,70.375 82.475,71.05 82.7,71.275 83.225,71.275 83.4,71.275 ccw(c83.4,71.404) 83.529,71.404 cw(c83.833,71.404) 83.833,71.708 cw(c83.833,71.404) 84.137,71.404 84.137,71.275 84.137,70.304 ccw(c84.441,70.304) 84.441,70 ccw(c84.441,70.304) 84.745,70.304 84.745,71.275 84.745,72.286 cw(c85.049,72.286) 85.049,72.59 cw(c85.049,72.286) 85.353,72.286 85.353,71.579 ccw(c85.657,71.579) 85.657,71.275 85.775,71.275 85.842,71.275 86.192,71.625 86.809,71.625 88.509,73.325 100.605,73.325 101.58,72.35 103.67,72.35 103.875,72.145 103.975,72.045 103.975,71.772 104.297,71.45 104.57,71.45 104.875,71.145 104.875,70.711 105.525,70.061 v2(105.525,70)
LMS1_DIQ2_D1: IC1.J31 IC29.AB27 | length 96.9
  Top w0.4: v2(105.525,69) IC29.AB27@106.025,68.5
  L8 w0.1: v3(33.549,42.51) 33.549,43.884 33.437,43.996 33.437,44.491 36.525,47.579 36.525,50.374 36.851,50.7 37.343,50.7 39.093,52.45 40.297,52.45 46.097,58.25 57.492,58.25 68.617,69.375 74.706,69.375 75.776,70.445 75.925,70.445 cw(c75.925,70.255) 76.115,70.255 76.115,69.812 ccw(c76.419,69.812) 76.419,69.508 ccw(c76.419,69.812) 76.723,69.812 76.723,70.141 cw(c77.027,70.141) 77.027,70.445 cw(c77.027,70.141) 77.331,70.141 77.331,69.812 ccw(c77.635,69.812) 77.635,69.508 ccw(c77.635,69.812) 77.939,69.812 77.939,70.141 cw(c78.243,70.141) 78.243,70.445 cw(c78.243,70.141) 78.547,70.141 78.547,69.812 ccw(c78.851,69.812) 78.851,69.508 ccw(c78.851,69.812) 79.155,69.812 79.155,70.141 cw(c79.459,70.141) 79.459,70.445 cw(c79.459,70.141) 79.763,70.141 79.763,69.812 ccw(c80.067,69.812) 80.067,69.508 ccw(c80.067,69.812) 80.371,69.812 80.371,70.141 cw(c80.675,70.141) 80.675,70.445 80.83,70.445 81.9,69.375 84.358,69.375 86.408,71.425 86.892,71.425 88.592,73.125 100.522,73.125 101.5,72.147 101.5,71.7 101.875,71.325 103.705,71.325 105.075,69.955 105.075,69.511 105.525,69.061 v2(105.525,69)
LMS1_DIQ2_D2: IC1.K30 IC29.Y21 | length 97.1
  Top w0.4: v2(111.525,67) IC29.Y21@112.025,66.5
  L8 w0.1: v3(33.882,42.177) 34.659,41.4 35.392,41.4 36.273,40.519 39.742,40.519 40.074,40.187 40.344,40.187 40.534,40.377 40.534,40.678 42.097,42.241 42.472,42.241 45.756,45.525 54.225,45.525 63.1,54.4 80.666,54.4 80.716,54.45 82.05,54.45 82.45,54.05 91.741,54.05 94.416,56.725 99.366,56.725 101.016,58.375 111.395,58.375 112.875,59.855 112.875,65.15 112.65,65.375 112.35,65.375 111.95,65.775 111.95,66.575 v2(111.525,67)